# Altium PCB lora_gw_som_pcb.PcbDoc (part 2 of 3) (continued)
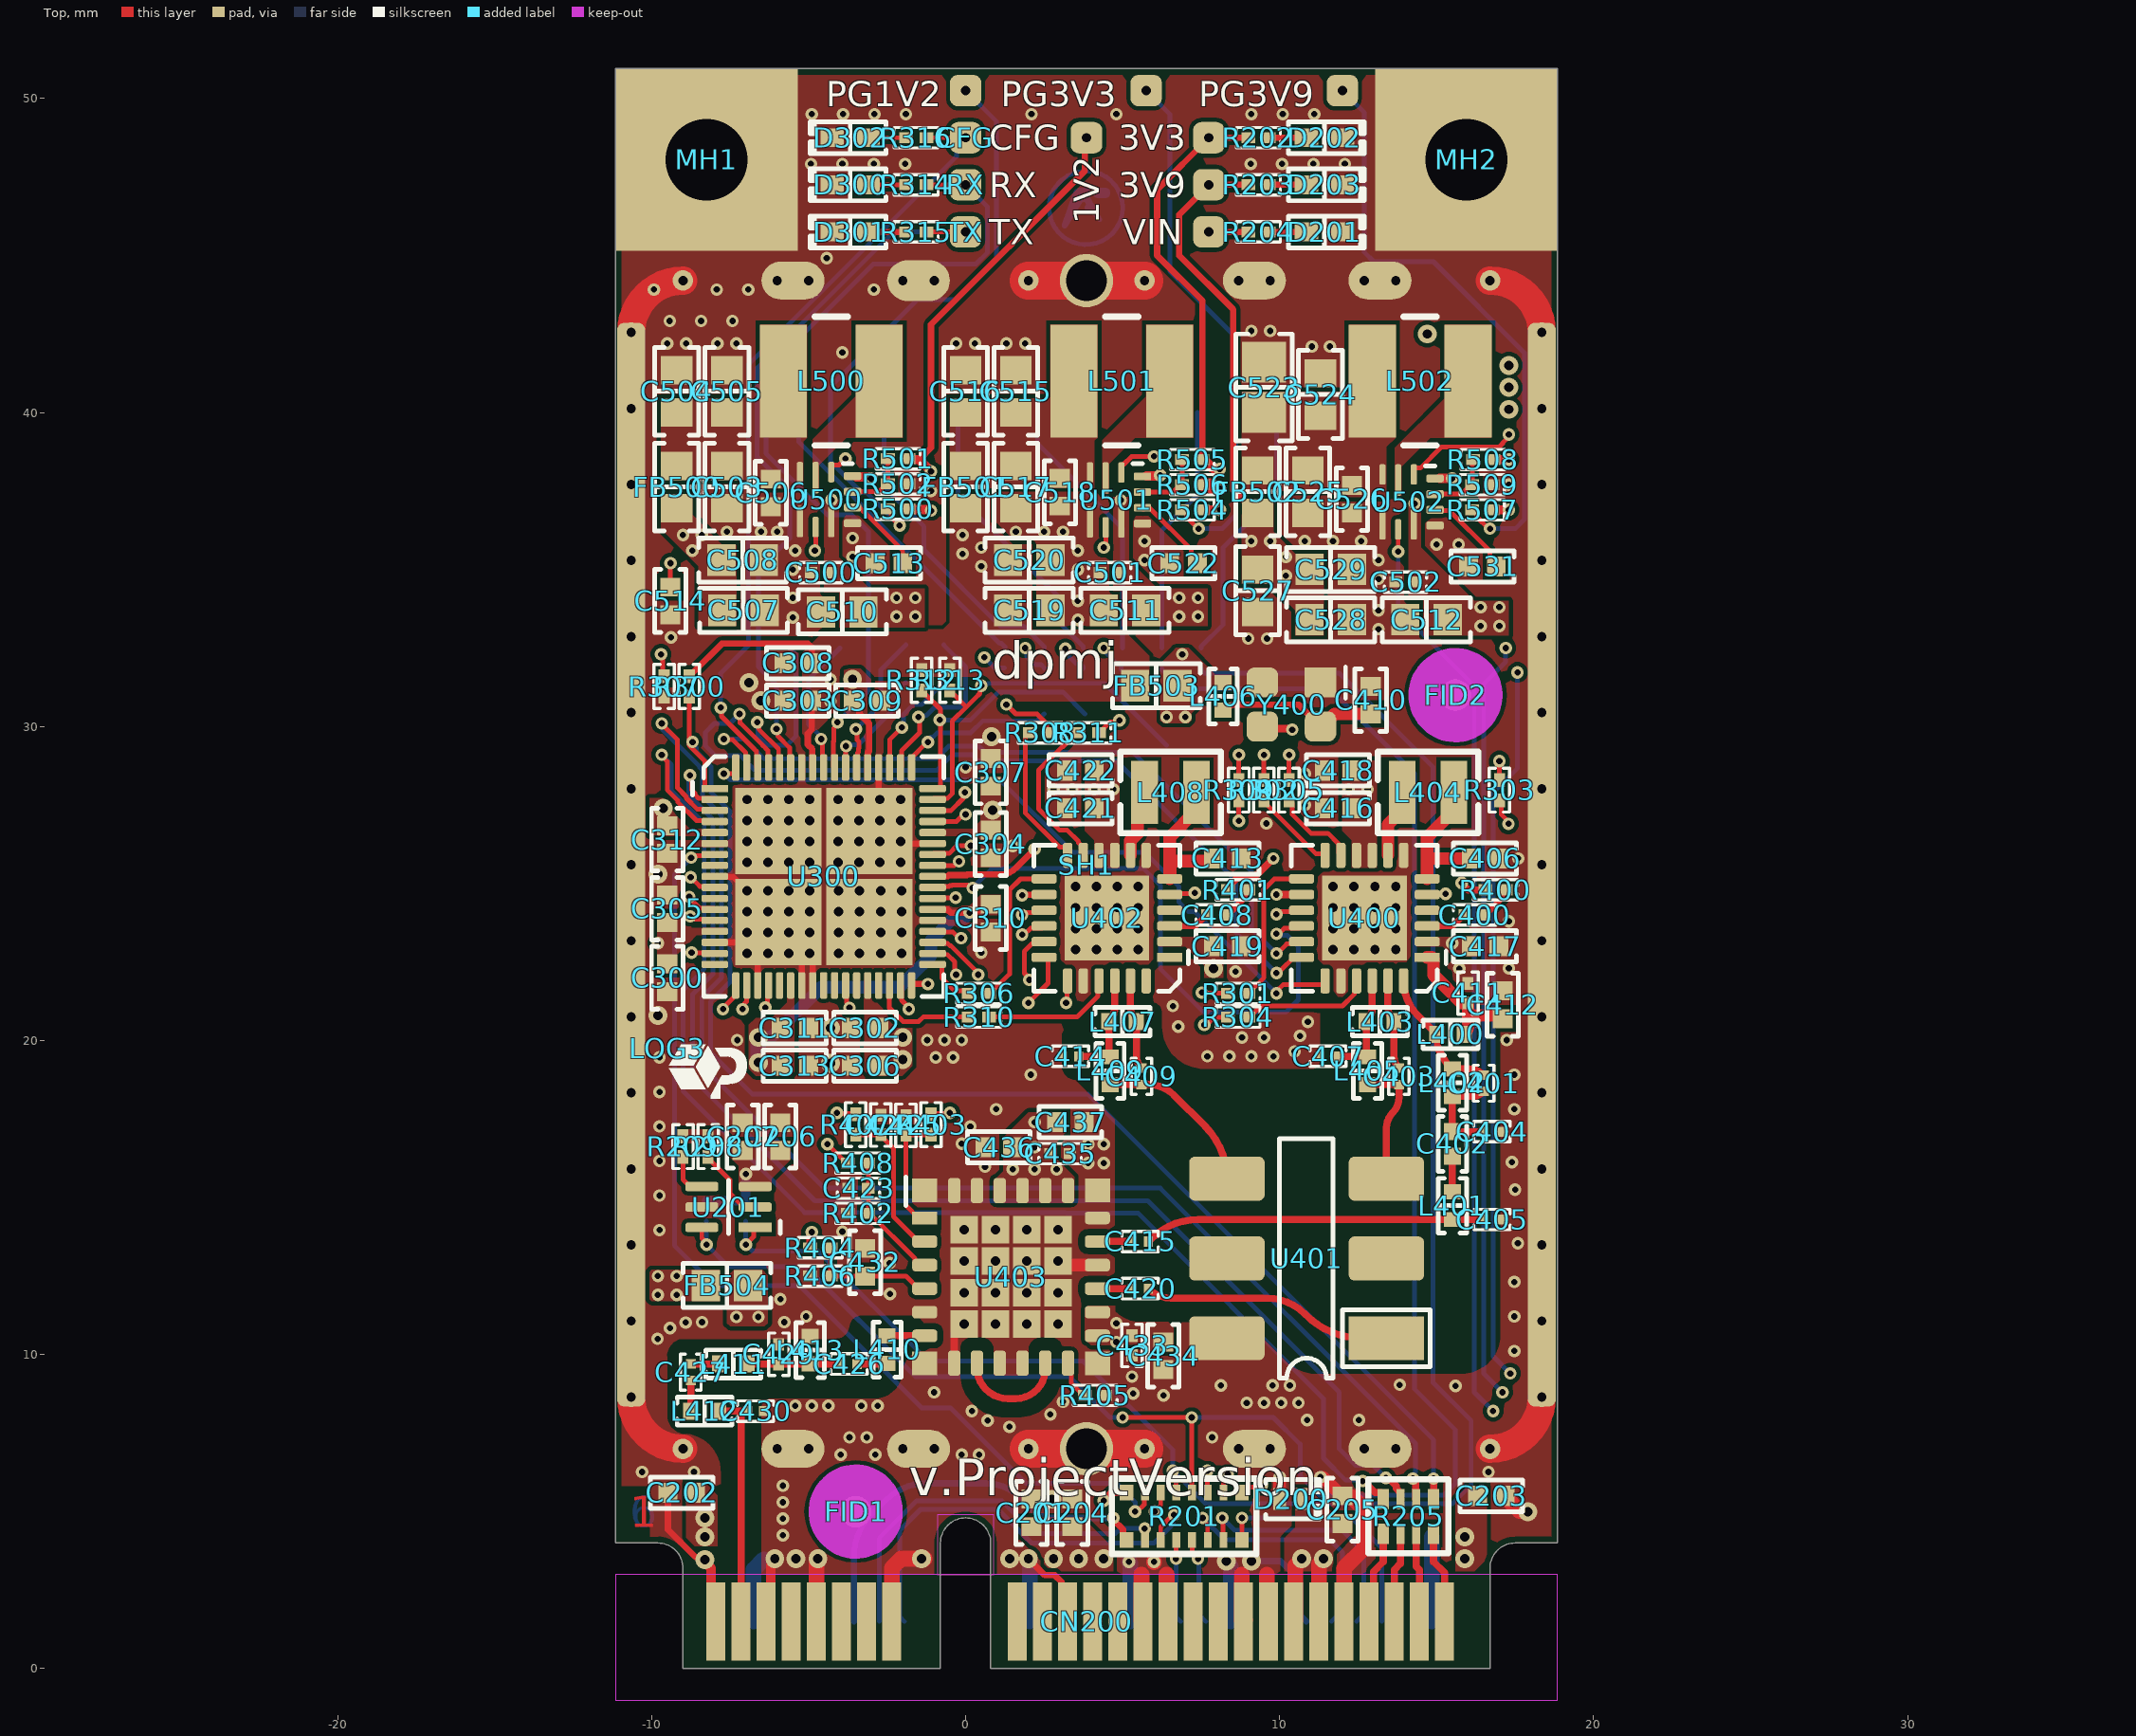
[diagram p0: Top view]
## Nets (pads, with @x,y where several pads share a name; then routed paths per layer and width w, separated by ;. In a path a pad name is that pad's centre, name@x,y a point inside that pad or via, vN(x,y) a via of type N, cw(c..) or ccw(c..) an arc to the next point about the centre after c; other vN are vias at no path point) (continued)
  other v1: -5.816,4.249 -5.816,4.774 -5.816,5.299 -5.816,5.824 -10.299,6.264 -8.649,6.264 16.651,6.264 -3.974,6.814 -2.874,6.814 -0.124,6.814 0.426,6.814 -3.699,7.364 -3.149,7.364 7.851,7.364 1.4,7.7 0.7,7.9 10.876,7.914 12.526,7.914 2.7,8.1 0.2,8.2 -5.422,8.367 -4.897,8.367 -4.372,8.367 -3.322,8.367 -2.797,8.367 8.951,8.464 9.501,8.464 10.051,8.464 10.601,8.464 3.1,8.5 6.3,8.7 5.334,8.763 -1,8.8 8.126,9.014 9.776,9.014 10.326,9.014 15.6,9 13.826,9.037 5.3,9.3 17.476,10.114 -9.81,10.503 -9.409,10.842 -8.916,11.021 -8.391,11.033 -5.776,11.033 -5.074,11.214 17.476,11.214 -5.899,11.764 -2.407,11.933 17.476,12.314 -2.423,12.915 17.587,13.545 -3.923,13.915 -9.749,13.964 -9.749,15.064 17.5,15.25 0.618,15.982 3.9,16.1 4.4,16.1 17.398,16.127 -9.749,16.164 -0.124,16.714 3.9,16.7 4.4,16.7 -9.749,17.264 0.151,17.264 0.976,17.814 17.476,17.814 -9.749,18.364 2.076,18.914 17.476,18.914 -9.749,19.464 -0.949,19.464 -0.399,19.464 7.7,19.5 8.4,19.5 9.1,19.5 9.8,19.5 10.477,19.653 -7.274,20.014 -1.224,20.014 -0.674,20.014 -0.124,20.014 17.232,20.015 8.8,20.1 9.5,20.1 10.651,20.148 6.773,20.449 10.9,20.6 6.6,21.1 8.6,22.2 15.722,22.292 17.3,22.3 0.499,22.799 17.3,23.8 17.6,25.8 1.5,26.2 9.577,26.915 10.8,27.5 2.8,28 3.4,28 10.8,28.5 0,28.7 9,32.8 9.6,32.8 -9.378,32.836 13.15,33.1 3.575,33.4 -5.5,33.475 13.15,33.7 3.575,34 -5.5,34.1 13.15,34.7 -5.5,35 3.575,35 5.7,35.3 13.15,35.3 -3.6,35.4 -5.425,35.6 3.575,35.6 15,35.8 15.7,35.8 5.7,35.9 10.8,35.9 11.7,35.9 12.6,35.9 -3.6,36 -7.6,36.2 -6.51,36.2 -6,36.2 1.6,36.2 2.5,36.2 3.1,36.2 -1.1,37.5 17.3,37.7 -3.923,41.915 11.025,42.1 11.6,42.1 -9.5,42.2 -8.9,42.2 -7.9,42.2 -7.3,42.2 -0.3,42.2 0.3,42.2 1.3,42.2 1.9,42.2 9.1,42.6 9.7,42.6 -9.423,42.915 -8.423,42.915 -7.423,42.915 -9.923,43.915 -7.923,43.915 -6.923,43.915 -2.923,43.915 -4.423,44.915 -4.923,47.915 -3.923,47.915 -2.923,47.915 -1.923,47.915 9.077,47.915 10.077,47.915 11.077,47.915 12.077,47.915 -4.9,49.5 -3.9,49.5 -2.9,49.5 -1.9,49.5 2.1,49.5 4.8,49.5 9.1,49.5 10.1,49.5 11.1,49.5
  other v2: -9,7 -6,7 -5,7 -2,7 -1,7 2,7 5.7,7 8.7,7 9.7,7 12.7,7 13.7,7 16.7,7 -10.65,8.65 18.35,8.65 -10.65,11.071 18.35,11.071 -10.65,13.493 18.35,13.493 -10.65,15.914 18.35,15.914 -10.65,18.336 18.35,18.336 -10.65,20.757 18.35,20.757 -6.965,22.775 -5.63,22.775 -4.04,22.775 -3.375,22.775 -2.705,22.775 -2.04,22.775 3.5,22.9 4.165,22.9 4.835,22.9 5.5,22.9 11.7,22.9 12.365,22.9 13.035,22.9 13.7,22.9 -10.65,23.179 18.35,23.179 -6.3,23.44 -5.63,23.44 -4.965,23.44 -4.04,23.44 -3.375,23.44 -2.705,23.44 -2.04,23.44 3.5,23.565 4.165,23.565 4.835,23.565 5.5,23.565 11.7,23.565 12.365,23.565 13.035,23.565 13.7,23.565 -6.965,24.11 -6.3,24.11 -5.63,24.11 -4.965,24.11 -4.04,24.11 -3.375,24.11 -2.705,24.11 -2.04,24.11 3.5,24.235 4.165,24.235 4.835,24.235 5.5,24.235 11.7,24.235 12.365,24.235 13.035,24.235 13.7,24.235 -6.3,24.775 -5.63,24.775 -4.965,24.775 -4.04,24.775 -3.375,24.775 -2.705,24.775 -2.04,24.775 3.5,24.9 4.165,24.9 4.835,24.9 5.5,24.9 11.7,24.9 12.365,24.9 13.035,24.9 13.7,24.9 -10.65,25.6 18.35,25.6 -6.965,25.675 -6.3,25.675 -5.63,25.675 -4.965,25.675 -4.065,25.675 -3.4,25.675 -2.73,25.675 -2.065,25.675 -6.965,26.34 -6.3,26.34 -5.63,26.34 -4.965,26.34 -4.065,26.34 -3.4,26.34 -2.73,26.34 -6.965,27.01 -6.3,27.01 -5.63,27.01 -4.965,27.01 -4.065,27.01 -3.4,27.01 -2.73,27.01 -2.065,27.01 -6.965,27.675 -6.3,27.675 -5.63,27.675 -4.965,27.675 -4.065,27.675 -3.4,27.675 -2.065,27.675 -10.65,28.021 18.35,28.021 -10.65,30.443 18.35,30.443 -10.65,32.864 18.35,32.864 -10.65,35.286 18.35,35.286 -10.65,37.707 18.35,37.707 -10.65,40.129 18.35,40.129 -10.65,42.55 18.35,42.55 -9,44.2 -6,44.2 -5,44.2 -2,44.2 -1,44.2 2,44.2 5.7,44.2 8.7,44.2 9.7,44.2 12.7,44.2 13.7,44.2 16.7,44.2
  other v3: -5.4,3.5 -1.4,3.5 1.4,3.5 2.748,5.394 -4.3,19.275 -4.3,20.4 -9.8,20.8 -9.8,25.3 0.825,29.682 -6.524,30.82 -6.9,31.4
  other v4: 0.95,10.975 1.95,10.975 2.95,10.975 -0.05,11.975 0.95,11.975 1.95,11.975 2.95,11.975 -0.05,12.975 0.95,12.975 1.95,12.975 -0.05,13.975 0.95,13.975 1.95,13.975 2.95,13.975
GPIO_1: TP1.0 U300.64 | length 6.5
  Top w0.15: v1(-6.632,30.14) -6.584,30.092 -6.584,29.915 -5.955,29.286 -5.955,28.73 U300.64@-5.92,28.695
  Bottom w0.15: v1(-6.632,30.14) -6.615,30.123 -6.615,29.715 -6.3,29.4 -5.7,29.4 -5.4,29.7 -5.4,32.3 TP1.0@-5.6,32.5
GPIO_3: TP3.0 U300.60 | length 4.4
  Top w0.15: v1(-4.6,29.6) -4.555,29.555 -4.555,28.73 U300.60@-4.52,28.695
  Bottom w0.15: v1(-4.6,29.6) -4.6,29.668 -5,30.068 -5,31.5 TP3.0@-4,32.5
GPIO_5: TP5.0 U300.58 | length 3.7
  Top w0.15: U300.58@-3.82,28.695 -3.813,28.702 -3.813,29.367 v1(-3.806,29.374)
  Bottom w0.15: v1(-3.806,29.374) -3.759,29.422 -3.421,29.422 -2.168,30.675 -2.168,31.132 TP5.0@-1.9,31.4
GPIO_6: TP6.0 U300.57 | length 4.6
  Top w0.15: v1(-3.494,29.915) -3.453,29.875 -3.453,29.576 -3.4,29.523 -3.4,29.314 -3.41,29.304 -3.41,29.195 -3.435,29.17 -3.435,28.73 U300.57@-3.47,28.695
  Bottom w0.15: v1(-3.494,29.915) -2.7,30.709 -2.7,31.8 TP6.0@-1.9,32.6
GPIO_7: TP7.0 U300.54 | length 3.6
  Top w0.15: U300.54@-2.42,28.695 -2.42,29.58 v1(-2.03,29.97)
  Bottom w0.15: v1(-2.03,29.97) -1.983,30.017 -1.983,30.383 -1.666,30.7 -1.4,30.7 TP7.0@-0.7,31.4
GPIO_8: TP8.0 U300.53 | length 5.7
  Top w0.15: U300.53@-2.07,28.695 -2.035,28.73 -2.035,29.231 -1.466,29.8 -1.466,30.266 v1(-1.5,30.3)
  Bottom w0.15: v1(-1.5,30.3) -1.452,30.348 -1.252,30.348 -0.989,30.611 -0.188,30.611 0,30.799 0,31.9 TP8.0@-0.7,32.6
GPIO_9: TP9.0 U300.52 | length 5.3
  Top w0.15: U300.52@-1.72,28.695 -1.72,29.005 -1.225,29.5 v1(-1.2,29.5)
  Bottom w0.15: v1(-1.2,29.5) -1.2,29.568 v1@-1.1,29.668 ; v1(-1.2,29.5) -0.899,29.8 0.166,29.8 0.548,30.182 2.282,30.182 TP9.0@2.5,30.4
GPIO_10: R312.1 TP10.0 U300.51 | length 8.9
  Top w0.15: R312.1@-1.4,31.15 -1.4,31.105 -1.3,31.005 -1.255,31.005 -0.8,30.55 -0.8,30.235 v1(-0.823,30.211) ; U300.51@-1.05,28.025 -0.84,28.025 -0.8,28.065 v1@-0.8,30.2
  Bottom w0.15: v1(-0.823,30.211) 0.157,30.211 1.045,31.1 3.1,31.1 TP10.0@3.8,30.4
GPIO_11: R313.1 TP11.0 U300.50 | length 12
  Top w0.15: U300.50@-1.05,27.675 -1.015,27.71 -0.576,27.71 -0.425,27.861 -0.425,30.175 0.025,30.625 ; R313.1@-0.5,31.15 -0.5,31.105 -0.4,31.005 -0.355,31.005 0.025,30.625 ; v1(0.5,31.3) 0.452,31.252 0.452,31.052 0.307,30.907 0.025,30.625
  Bottom w0.15: v1(0.5,31.3) 0.548,31.348 0.686,31.348 0.713,31.375 4.425,31.375 TP11.0@6.4,29.4
I2C.SCL: R200.2 R201.13 R207.1 U201.1 | length 61.4
  Top w0.15: v1(-7,13.5) -6.75,13.75 -6.75,13.975 -6.7,14.025 U201.1@-6.7,14.05 ; v1(6.6,6.3) 6.6,6.232 6.706,6.126 6.706,5.606 R201.13@6.713,5.6
  Bottom w0.15: R207.1@-7,14.25 v1(-7,13.5) -6.987,13.5 -6.787,13.3 -4.7,13.3 -1.2,9.8 3.731,9.8 5.131,8.4 5.166,8.4 6.6,6.966 v1(6.6,6.3) 7.653,5.247 15.501,5.247 16.1,5.845 16.1,7.9 14.882,9.118 14.882,28.718 11.9,31.7 7.688,31.7 7.683,31.705 7.6,31.705 7.5,31.805 R200.2@7.5,31.85
I2C.SDA: R201.12 R206.1 R210.2 U201.6 | length 64.3
  Top w0.15: U201.6@-8.4,14.05 -8.4,13.703 -8.25,13.553 v1(-8.25,13.5) ; v1(5,8) v1(7.2,8) 7.206,7.994 7.206,5.606 R201.12@7.213,5.6
  Bottom w0.15: R206.1@-8.25,14.25 v1(-8.25,13.5) -7.55,12.8 -5.1,12.8 -1.6,9.3 3.3,9.3 4.6,8 v1(5,8) ; R210.2@6.25,31.85 6.25,31.805 6.35,31.705 6.395,31.705 6.9,31.2 11.6,31.2 14.3,28.5 14.3,8.9 15.6,7.6 15.6,5.9 15.222,5.522 11.278,5.522 10.652,6.148 10.652,7.148 9.8,8 v1(7.2,8)
LED_CFG: CFG.0 R316.2 U300.66 | length 25
  Top w0.15: v1@-7.8,30.587 -7.773,30.56 -7.773,30.326 -6.73,29.283 -6.73,29.281 -6.655,29.206 -6.655,28.73 U300.66@-6.62,28.695 ; R316.2@-1.25,48.75 CFG.0@0,48.75
  Bottom w0.15: v1(-7.8,30.6) -7.8,31.7 -6.91,32.59 -6.91,41.531 -0.282,48.16 -0.282,48.468 CFG.0@0,48.75
LED_RX: R314.2 RX.0 U300.59 | length 27
  Top w0.15: -4.2,29.947 -4.2,29.53 -4.206,29.524 -4.206,29.192 -4.205,29.191 -4.205,28.73 U300.59@-4.17,28.695 ; R314.2@-1.25,47.25 RX.0@0,47.25
  Bottom w0.15: v1@-4.126,30.184 v1(-4.078,30.136) -3.1,31.114 -3.1,36.212 -3.624,36.736 -4.4,36.736 -6.36,38.696 -6.36,41.304 -2.938,44.725 0.325,44.725 0.7,45.1 0.7,46.55 RX.0@0,47.25
LED_TX: R315.2 TX.0 U300.63 | length 23.4
  Top w0.15: -5.976,29.696 -5.605,29.325 -5.605,28.73 U300.63@-5.57,28.695 ; R315.2@-1.25,45.75 TX.0@0,45.75
  Bottom w0.15: v1(-6.024,29.921) -6.024,31.332 -6.6,31.908 -6.6,34.991 -5.6,35.991 -5.6,37.548 -6.635,38.583 -6.635,41.417 -2.302,45.75 TX.0@0,45.75
NetC400_2: C400.2 R400.2 | length 1.1
  Top w0.2: C400.2@16.52,24 16.545,24 17.08,24.535 17.08,24.725 17.155,24.8 R400.2@17.2,24.8
NetC408_2: C408.2 R401.2 | length 1.1
  Top w0.2: C408.2@8.32,24 8.345,24 8.88,24.535 8.88,24.725 8.955,24.8 R401.2@9,24.8
NetC426_1: C426.1 L410.2 | length 0.9
  Top w0.227: C426.1@-3.45,9.7 L410.2@-2.53,9.7
NetC427_1: C427.1 L411.2 | length 0.9
  Top w0.227: C427.1@-8.75,9.7 L411.2@-7.83,9.7
NetD201_1: D201.1 R204.1 | length 1.2
  Top w0.2: R204.1@9.65,45.75 D201.1@10.85,45.75
NetD202_1: D202.1 R202.1 | length 1.2
  Top w0.2: R202.1@9.65,48.75 D202.1@10.85,48.75
NetD203_1: D203.1 R203.1 | length 1.2
  Top w0.2: R203.1@9.65,47.25 D203.1@10.85,47.25
NetD300_1: D300.1 R314.1 | length 1.2
  Top w0.15: D300.1@-3.1,47.25 R314.1@-1.9,47.25
NetD301_1: D301.1 R315.1 | length 1.2
  Top w0.2: D301.1@-3.1,45.75 R315.1@-1.9,45.75
NetD302_1: D302.1 R316.1 | length 1.2
  Top w0.15: D302.1@-3.1,48.75 R316.1@-1.9,48.75
PCI.CLK32M: CN200.12 R201.1 | length 12.8
  Top w0.2: v1(4.7,4.8) 4.7,4.746 5.012,4.433 5.012,4.212 R201.1@5.125,4.1
  Bottom w0.2: CN200.12@-3.55,1.5 -3.55,3.593 ; -3.55,3.594 cw(c-1.724,3.594) -3.015,4.885 -2.522,5.378 cw(c-1.263,4.121) -1.263,5.9 0.649,5.9 0.652,5.9 cw(c0.651,4.399) 1.712,5.461 1.713,5.459 2.063,5.109 2.065,5.108 ccw(c2.808,5.852) 2.808,4.8 ; 2.809,4.8 v1(4.7,4.8)
PCI.ENABLE: CN200.16 R201.3 | length 13.9
  Top w0.15: R201.3@6.212,4.1 6.212,4.513 6.593,4.893 v1(6.641,4.893)
  Bottom w0.15: CN200.16@-1.95,1.5 -2.1,1.65 -2.1,4.4 -1.432,5.068 1.032,5.068 2.1,4 6,4 6.616,4.616 6.616,4.868 v1(6.641,4.893)
PCI.I2C.SCL: CN200.30 R201.4 | length 2.7
  Top w0.15: v1(6.7,3.5) 6.706,3.506 6.706,4.094 R201.4@6.713,4.1
  Bottom w0.15: v1(6.7,3.5) 6.7,1.65 CN200.30@6.85,1.5
PCI.I2C.SDA: CN200.32 R201.5 | length 2.8
  Top w0.15: R201.5@7.213,4.1 7.213,3.703 7.4,3.516 v1(7.4,3.5)
  Bottom w0.15: v1(7.4,3.5) 7.425,3.475 7.425,1.725 CN200.32@7.65,1.5
PCI.PG.1V2: CN200.42 R201.6 | length 8
  Top w0.15: v1(7.55,4.8) 7.55,4.732 7.707,4.575 7.707,4.105 R201.6@7.713,4.1
  Bottom w0.15: v1(7.55,4.8) 8.247,4.103 11.597,4.103 12.005,3.695 12.005,3.005 11.875,2.875 11.875,1.725 CN200.42@11.65,1.5
PCI.PG.3V3: CN200.44 R201.7 | length 8
  Top w0.15: v1(8.175,4.8) 8.194,4.781 8.194,4.119 R201.7@8.213,4.1
  Bottom w0.15: v1(8.175,4.8) 8.575,4.4 12,4.4 12.675,3.725 12.675,1.725 CN200.44@12.45,1.5
PCI.PG.3V9: CN200.46 R201.8 | length 7.9
  Top w0.15: R201.8@8.8,4.1 v1(8.8,4.8)
  Bottom w0.15: v1(8.8,4.8) 12.3,4.8 13.25,3.85 CN200.46@13.25,1.5
PCI.RESET: CN200.14 R201.2 | length 12.5
  Top w0.15: v1(5.705,4.463) 5.709,4.459 5.709,4.104 R201.2@5.713,4.1
  Bottom w0.15: CN200.14@-2.75,1.5 -2.75,4.15 -1.557,5.343 1.157,5.343 2.2,4.3 4.766,4.3 4.929,4.463 v1(5.705,4.463)
PCI.SPI.MISO: CN200.47 R205.6 | length 3
  Top w0.227: CN200.47@13.65,1.5 13.65,3.15 13.85,3.35 R205.6@13.85,4.4
PCI.SPI.MOSI: CN200.49 R205.7 | length 3.2
  Top w0.227: CN200.49@14.307,1.715 14.271,1.679 CN200.49@14.45,1.5 14.45,3.15 14.35,3.25 R205.7@14.35,4.4
PCI.SPI.NSS: CN200.51 R205.8 | length 3
  Top w0.227: R205.8@14.9,4.4 14.9,3.4 15.25,3.05 CN200.51@15.25,1.5
PCI.SPI.SCK: CN200.45 R205.5 | length 3.1
  Top w0.227: CN200.45@12.85,1.5 12.991,1.641 12.991,3.091 13.3,3.4 R205.5@13.3,4.4
PGOOD.1V2: PG1V2.0 R201.11 R500.1 U500.5 U501.1 U502.1 | length 94.7
  Top w0.15: v1@-4.775,35.625 U500.5@-4.775,36.35 ; R500.1@-2.475,36.925 -2.465,36.925 -2.365,36.825 -2.365,36.665 v1(-2.1,36.4) ; U501.1@4.96,38.09 4.96,38.315 4.985,38.34 5.028,38.34 5.289,38.6 v1(6,38.6) ; v1(7.7,6.3) 7.706,6.294 7.706,5.606 R201.11@7.713,5.6 ; U502.1@14.275,38.025 14.275,38.207 14.3,38.232 14.482,38.232 15.15,38.9 16.993,38.9 17.099,39.006 17.099,39.031 17.3,39.232 v1(17.3,39.3)
  Top w0.2: v1(-4.8,35.6) v1@-4.775,35.625
  Signal-1 w0.15: v1(-4.8,35.6) -3.95,36.45 -2.15,36.45 v1(-2.1,36.4) -0.8,36.4 1.4,38.6 v1(6,38.6) 6.7,39.3 17.342,39.3 17.825,38.817 17.825,31.987 17.575,31.737 v1(17.575,31.725) ; v1(7.7,6.3) 7.7,6.205 8.311,5.594 8.455,5.45 8.786,5.45 9.315,4.922 16.822,4.922 17.79,5.89 17.79,8.955 v1(17.345,9.4)
  Bottom w0.15: v1(-2.1,36.4) -3.143,37.443 -3.304,37.443 -4.3,38.439 -4.3,40.824 -1.524,43.6 -0.3,43.6 0.975,44.875 0.975,49.275 PG1V2.0@0,50.25 ; v1(17.345,9.4) 16.8,9.945 16.8,27.9 17.575,28.675 v1(17.575,31.725)
PGOOD.3V3: PG3V3.0 R201.10 R504.1 U501.5 | length 70
  Top w0.15: v1(4.4,35.7) 4.4,35.768 4.473,35.841 4.473,36.327 U501.5@4.46,36.34 ; R504.1@6.94,36.9 7.04,36.8 7.04,36.66 7.4,36.3 v1(7.425,36.3) ; R201.10@8.213,5.6 8.213,6.045 8.35,6.182 v1(8.35,6.192)
  Top w0.2: R504.1@6.895,36.9 R504.1@6.94,36.9
  Signal-1 w0.15: v1(4.4,35.7) 5.05,36.35 7.375,36.35 7.473,36.252 7.748,36.252 11.123,32.877 11.126,32.874 ccw(c12.032,33.784) 12.032,32.5 v1(17.2,32.5) ; v1(8.35,6.192) 8.433,6.192 9.429,5.197 16.697,5.197 17.515,6.015 17.515,8.29 17.1,8.705 v1(17.1,8.8)
  Bottom w0.15: PG3V3.0@5.75,50.25 6.5,49.5 6.5,44.5 8.6,42.4 8.6,36.734 8.166,36.3 v1(7.425,36.3) ; v1(17.1,8.8) 16.5,9.4 16.5,31.362 17.2,32.062 v1(17.2,32.5)
PGOOD.3V9: PG3V9.0 R201.9 R507.1 U502.5 | length 63.1
  Top w0.15: R201.9@8.8,5.6 8.8,5.637 8.938,5.775 9.307,5.775 9.363,5.831 v1(9.431,5.831) ; v1(13.775,35.575) U502.5@13.775,36.275 ; R507.1@16.13,36.9 16.175,36.9 16.275,36.8 16.275,36.68 16.655,36.3 v1(16.7,36.3)
  Signal-1 w0.15: v1(9.431,5.831) 9.79,5.472 16.572,5.472 17.238,6.138 17.238,7.762 v1(16.8,8.2) ; v1(13.775,35.575) 14.5,36.3 v1(16.7,36.3)
  Bottom w0.15: PG3V9.0@12,50.25 12.7,49.55 12.7,45.1 13,44.8 14.9,44.8 17.8,41.9 17.8,36.6 17.5,36.3 v1(16.7,36.3) ; v1(13.775,35.575) 13.775,33.725 16.2,31.3 16.2,8.8 v1(16.8,8.2)
PWSPLT.RA: C403.2 L405.2 U401.3 | length 4.1
  Top w0.227: L405.2@12.8,18.6 C403.2@13.8,18.6 13.8,18.183 cw(c13.117,18.183) 13.6,17.7 ccw(c14.083,17.217) 13.4,17.217 U401.3@13.4,15.6
PWSPLT.RB: C409.2 L409.2 U401.4 | length 5.4
  Top w0.227: L409.2@4.6,18.6 C409.2@5.6,18.6 5.817,18.6 cw(c5.817,17.434) 6.641,18.259 7.627,17.273 cw(c5.954,15.6) U401.4@8.32,15.6
RA.DCSW: L404.2 U400.8 | length 2.2
  Top w0.4: U400.8@13.45,25.9 13.45,26.875 13.9,27.325 L404.2@13.9,27.9
RA.LPF: C402.2 L401.1 | length 1.1
  Top w0.227: L401.1@15.5,15.18 C402.2@15.5,16.32
RA.RFIN: C403.1 L403.2 U400.23 | length 2.9
  Top w0.227: U400.23@13.45,21.9 13.45,21.059 ccw(c14.099,21.059) L403.2@13.64,20.6 13.64,19.506 ccw(c14.186,19.506) C403.1@13.8,19.12
RA.RFIP: C407.2 L403.1 L405.1 U400.22 | length 3.4
  Top w0.227: C407.2@11.8,19.5 12.752,19.5 cw(c12.752,19.432) L405.1@12.8,19.48 ; L405.1@12.76,19.577 L403.1@12.76,20.6 ccw(c12.301,21.059) 12.95,21.059 U400.22@12.95,21.9
RA.RFO: C401.1 L400.2 L402.1 U400.24 | length 4.4
  Top w0.227: U400.24@13.95,21.9 ccw(c15.519,21.9) 14.41,20.79 L400.2@15,20.2 15.026,20.044 15.026,19.93 ccw(c15.64,19.93) 15.112,19.617 15.344,19.226 L402.1@15.5,19.1 16.017,19.1 cw(c16.017,18.417) C401.1@16.5,18.9
RA.TXA: C400.1 U400.3 | length 1.3
  Top w0.2: U400.3@14.7,23.65 15.525,23.65 15.875,24 C400.1@15.9,24
RA.VREG: C406.2 L404.1 U400.6 | length 4.5
  Top w0.4: U400.6@14.7,25.15 14.7,25.812 ; L404.1@15.55,27.9 15.55,27.325 14.7,26.475 14.7,25.812 ; C406.2@16.1,25.8 14.713,25.8 14.7,25.812
RA.ZO: C401.2 C402.1 C404.2 L402.2 | length 3.2
  Top w0.227: C404.2@16.5,17.1 C402.1@15.5,17.1 L402.2@15.5,18.22 16.114,18.22 ccw(c16.114,18.766) C401.2@16.5,18.38
RADIO_A_CLK32M: R201.16 U300.43 U400.14 | length 36.8
  Top w0.2: U300.43@-1.05,25.225 -1.04,25.235 -0.565,25.235 -0.532,25.269 0.04,25.269 0.058,25.287 1.114,25.287 ccw(c1.114,25.948) 1.581,25.481 v1(2.2,26.1) ; v1(4.4,5.348) 4.4,5.387 4.613,5.6 R201.16@5.125,5.6
  Top w0.227: v1(9.9,24.65) U400.14@10.7,24.65
  Signal-1 w0.2: v1(2.2,26.1) 4.503,26.1 cw(c4.503,24.713) 5.483,25.694 5.485,25.693 6.93,24.248 6.931,24.247 ccw(c7.519,24.835) 7.519,24.004 ; v1(4.4,5.348) 4.4,5.599 cw(c5.443,5.598) 4.706,6.336 4.852,6.481 ccw(c4.496,6.839) 5,6.839 5,6.912 ; 5,6.913 cw(c5.452,6.913) 5.133,7.233 5.59,7.69 cw(c5.855,7.426) 5.854,7.8 5.856,7.8 ccw(c5.855,8.323) 6.226,7.954 7.1,8.828 9.924,11.652 ccw(c5.157,16.421) 11.9,16.421 11.9,19.055 11.9,19.056 ccw(c6.033,19.07) 11.47,21.274 11.16,22.04 cw(c13.951,23.19) 10.933,23.239 ccw(c9.103,23.35) 10.825,23.979 ccw(c9.709,23.571) 10.548,24.412 10.533,24.428 10.487,24.473 ccw(c10.094,24.08) 10.094,24.636 9.914,24.636 v1(9.9,24.65) ; 7.52,24.004 7.63,24.004 ; 7.631,24.004 ccw(c7.631,24.662) 8.097,24.197 8.2,24.3 cw(c8.984,23.516) 8.984,24.625 v1@9.9,24.625
RADIO_A_CLK_O: R305.2 U400.11 | length 2.7
  Top w0.15: R305.2@10.3,27.65 10.395,27.555 10.395,27.205 11,26.6 11.539,26.6 11.875,26.264 11.875,25.975 U400.11@11.95,25.9
RADIO_A_IQ0: R301.2 U400.13 | length 4.9
  Top w0.15: R301.2@9,21.5 9.045,21.5 9.145,21.6 9.145,21.645 9.5,22 9.5,24.816 9.834,25.15 U400.13@10.7,25.15
RADIO_A_IQ1: R302.2 U400.12 | length 2.7
  Top w0.15: R302.2@9.5,27.65 9.5,27.605 11.163,25.942 11.408,25.942 U400.12@11.45,25.9
RADIO_A_IQ2: R303.2 U400.5 | length 4.7
  Top w0.15: U400.5@14.7,24.65 14.71,24.66 15.272,24.66 v1(15.282,24.67) ; R303.2@17,27.65 17.063,27.587 17.063,27.195 17.288,26.97 v1(17.288,26.902)
  Signal-1 w0.15: v1(15.282,24.67) 15.3,24.688 15.3,25.3 16.833,26.833 v1(17.288,26.902)
RADIO_A_IQ3: R304.2 U400.21 | length 4.1
  Top w0.15: R304.2@9,20.75 9.045,20.75 9.395,21.1 12,21.1 12.375,21.475 12.375,21.825 U400.21@12.45,21.9
RADIO_A_NRESET: U300.13 U400.15 | length 31.3
  Top w0.15: v1@-8.612,23.86 -8.025,23.86 U300.13@-7.99,23.825 ; v1(9.9,24.025) 9.968,24.025 10.05,24.107 10.657,24.107 U400.15@10.7,24.15
  Signal-1 w0.15: -9.2,19.096 ccw(c-7.037,19.096) -8.566,17.566 -7.685,16.685 ccw(c-6.515,17.854) -6.515,16.2 ; -9.2,19.097 -9.2,22.916 ; -9.2,22.917 cw(c-7.737,22.917) v1(-8.771,23.952) ; -6.514,16.2 -0.365,16.2 ; -0.364,16.2 ccw(c-0.364,17.562) 0.599,16.599 2.527,18.527 cw(c5.841,15.214) 5.841,19.9 7.075,19.9 ; 7.076,19.9 ccw(c7.076,21.649) 8.312,20.412 ccw(c6.17,22.555) 9.2,22.555 9.2,23.5 ; 9.2,23.5 cw(c9.679,23.5) 9.34,23.839 cw(c9.728,23.452) 9.728,24 9.875,24 v1(9.9,24.025)
RADIO_B_CLK32M: U300.34 U402.14 | length 6.9
  Top w0.2: U300.34@-1.72,21.755 -1.72,21.785 -1.705,21.8 v1(-1.2,21.8) ; v1(1.8,24.625) 1.812,24.637 2.488,24.637 U402.14@2.5,24.65
  Signal-1 w0.2: v1(-1.2,21.8) -0.985,21.585 ccw(c-0.538,22.033) -0.538,21.4 ; -0.537,21.4 0.167,21.4 ; 0.168,21.4 ccw(c0.168,21.891) 0.516,21.544 0.868,21.896 ccw(c0.553,22.214) 1,22.214 1,24.001 ; 1,24.002 cw(c1.477,24.002) 1.14,24.34 1.19,24.39 cw(c1.619,23.96) 1.483,24.552 v1(1.8,24.625)
RADIO_B_CLK_O: R311.2 U402.11 | length 5.2
  Top w0.15: R311.2@3.6,29.8 3.555,29.8 3.106,29.351 3.069,29.351 2.325,28.608 2.325,27.375 3,26.7 3.239,26.7 3.6,26.339 3.6,26.3 3.75,26.15 U402.11@3.75,25.9
RADIO_B_IQ0: R306.2 U402.13 | length 4.8
  Top w0.15: R306.2@0.75,21.5 0.78,21.5 1.4,22.12 1.4,24.8 1.75,25.15 U402.13@2.5,25.15
RADIO_B_IQ1: R308.2 U402.12 | length 4.7
  Top w0.15: R308.2@2.05,29.8 2.005,29.8 1.905,29.7 1.905,29.617 1.9,29.612 1.9,27.25 2.988,26.162 3.175,26.162 3.25,26.087 U402.12@3.25,25.9
RADIO_B_IQ2: R309.2 U402.5 | length 4.4
  Top w0.15: U402.5@6.5,24.65 6.525,24.675 7.275,24.675 v1(7.3,24.7) ; v1(8.7,27) R309.2@8.7,27.65
  Signal-1 w0.15: v1(7.3,24.7) 7.3,25.6 v1(8.7,27)
RADIO_B_IQ3: R310.2 U402.21 | length 4.2
  Top w0.15: R310.2@0.75,20.75 3.55,20.75 4.213,21.413 4.213,21.863 U402.21@4.25,21.9
RADIO_B_NRESET: U300.28 U402.15 | length 9.8
  Top w0.15: U300.28@-3.82,21.755 -3.785,21.72 v1@-3.785,21.201 ; v1(1.8,24) 1.868,24 1.943,24.075 2.425,24.075 U402.15@2.5,24.15
  Signal-1 w0.15: v1(-3.697,21.045) -3.286,21.457 -1.493,21.457 -0.936,20.9 0.6,20.9 1.3,21.6 1.3,23.8 1.464,23.964 1.764,23.964 v1(1.8,24)
RB.DCSW: L408.2 U402.8 | length 2.2
  Top w0.4: U402.8@5.25,25.9 5.25,26.366 5.475,26.591 5.475,27.675 L408.2@5.7,27.9
RB.RFIN: C409.1 L407.2 U402.23 | length 2.9
  Top w0.227: U402.23@5.25,21.9 5.25,21.059 ccw(c5.899,21.059) L407.2@5.44,20.6 5.44,19.506 ccw(c5.986,19.506) C409.1@5.6,19.12
RB.RFIP: C414.2 L407.1 L409.1 U402.22 | length 3.4
  Top w0.227: C414.2@3.6,19.5 4.552,19.5 cw(c4.552,19.432) L409.1@4.6,19.48 ; L409.1@4.56,19.577 L407.1@4.56,20.6 ccw(c4.101,21.059) 4.75,21.059 U402.22@4.75,21.9
RB.TXA: C408.1 U402.3 | length 1.3
  Top w0.2: U402.3@6.5,23.65 7.325,23.65 7.675,24 C408.1@7.7,24
RB.VREG: C413.2 L408.1 U402.6 | length 5.1
  Top w0.4: L408.1@7.35,27.9 7.35,27.325 6.5,26.475 U402.6@6.5,25.15 6.516,25.166 6.516,25.716 7.816,25.716 C413.2@7.9,25.8
RF_RXOUT: C420.1 U401.1 | length 8
  Top w0.227: C420.1@5.82,12.1 ccw(c6.544,12.824) 6.544,11.8 9.593,11.8 cw(c9.593,10.093) 10.8,11.3 10.836,11.264 ccw(c12.632,13.06) 12.632,10.52 U401.1@13.4,10.52
RF_TXIN: C405.2 C415.1 L401.2 | length 10.9
  Top w0.227: C415.1@5.82,13.6 5.898,13.678 cw(c7.4,12.175) 7.4,14.3 L401.2@15.5,14.3 C405.2@16.5,14.3
RFIO: C430.2 CN200.3 L412.2 | length 7.7
  Top w0.227: L412.2@-7.87,8.2 C430.2@-7.1,8.2 ; CN200.3@-7.15,1.5 -7.15,7.588 -7.15,8.15 C430.2@-7.1,8.2 ; C430.2@-6.986,8.161 C430.2@-6.95,8.2 C430.2@-7.1,8.2
RFIO_BPF: C426.2 C429.2 L411.1 L413.1 | length 3
  Top w0.227: L411.1@-6.95,9.7 C429.2@-5.95,9.7 L413.1@-4.95,9.7 C426.2@-3.97,9.7
RFIO_LPF: C427.2 L412.1 | length 1
  Top w0.227: L412.1@-8.75,8.2 C427.2@-8.75,9.18
RFSW.ANTENNA: L410.1 U403.7 | length 1.2
  Top w0.227: L410.1@-2.5,10.6 U403.7@-1.3,10.6
RFSW.BYP: C423.2 R402.2 R408.2 U403.4 | length 4.1
  Top w0.15: R408.2@-3.1,16.1 C423.2@-3.1,15.3 R402.2@-3.1,14.5 -3.055,14.5 -1.61,13.055 -1.61,12.973 -1.486,12.85 U403.4@-1.3,12.85
RFSW.EN: C424.2 R407.2 U403.3 | length 4.9
  Top w0.15: R407.2@-3.5,17 C424.2@-2.7,17 -2.7,16.975 -2.3,16.575 -2.3,14.4 -1.5,13.6 U403.3@-1.3,13.6
RFSW.RBIAS: R405.2 U403.14 | length 0.8
  Top w0.15: 3.362,9.325 3.362,9.093 3.755,8.7 R405.2@3.8,8.7
RFSW.RX12: U403.10 U403.13 | length 3.6
  Top w0.227: U403.10@0.368,9.724 0.37,9.439 ccw(c1.349,9.59) 1.348,8.6 1.6,8.6 ccw(c1.6,9.537) 2.532,9.439 U403.13@2.537,9.725
RFSW.RXOUT: C420.2 U403.18 | length 1.1
  Top w0.227: U403.18@4.199,12.1 C420.2@5.3,12.1
RFSW.TR: C425.2 R403.2 U403.2 | length 3.8
  Top w0.15: U403.2@-1.3,14.35 -1.5,14.35 -1.9,14.75 -1.9,17 R403.2@-1.1,17
RFSW.TXIN: C415.2 U403.20 | length 1.1
  Top w0.227: U403.20@4.199,13.6 C415.2@5.3,13.6
RFSW.VPC: C432.2 R404.1 R406.2 U403.5 | length 4.1
  Top w0.15: R404.1@-4.3,13.4 R406.2@-4.3,12.5 -1.9,12.5 -1.5,12.1 U403.5@-1.3,12.1
SPI_RADIO_A.CSN: U300.68 U400.19 | length 23.1
  Top w0.15: v1(-7.7,28.5) -7.36,28.5 -7.32,28.54 U300.68@-7.32,28.695 ; v1(9.9,21.5) 9.9,21.568 10.117,21.785 11.375,21.785 11.45,21.86 U400.19@11.45,21.9
  Bottom w0.15: v1(-7.7,28.5) -7.687,28.5 -7.487,28.3 1.1,28.3 3.4,26 5.7,26 6.8,24.9 6.8,24.4 7.1,24.1 7.3,24.1 v1(9.9,21.5)
SPI_RADIO_A.MISO: U300.42 U400.16 | length 19.1
  Top w0.15: U300.42@-1.05,24.875 -1.015,24.91 -0.526,24.91 -0.501,24.935 -0.441,24.935 -0.421,24.956 0.072,24.956 0.165,24.862 v1(0.228,24.862) ; v1(9.9,23.4) 9.968,23.4 10.143,23.575 10.625,23.575 U400.16@10.7,23.65
  Bottom w0.15: v1(0.228,24.862) 0.228,24.867 0.836,25.475 5.667,25.475 6.2,24.942 6.2,22.288 7.588,20.9 10.2,20.9 10.6,21.3 10.6,23 10.248,23.352 9.948,23.352 v1(9.9,23.4)
SPI_RADIO_A.MOSI: U300.67 U400.17 | length 24.1
  Top w0.15: v1(-7.7,29.6) -7.682,29.582 -7.417,29.582 -7.005,29.17 -7.005,28.73 U300.67@-6.97,28.695 ; v1(9.9,22.775) 9.926,22.775 10.226,23.075 10.625,23.075 U400.17@10.7,23.15
  Bottom w0.15: v1(-7.7,29.6) -7.047,29.6 -6.421,28.974 -0.94,28.974 -0.539,29.375 0.425,29.375 0.618,29.182 5.318,29.182 9.1,25.4 9.1,23.575 v1(9.9,22.775)
SPI_RADIO_A.SCK: U300.65 U400.18 | length 27.4
  Top w0.15: v1(-7.2,30.4) -7.178,30.378 -7.178,30.121 -6.455,29.397 -6.455,29.395 -6.3,29.24 -6.3,28.736 U300.65@-6.265,28.701 ; v1(9.9,22.15) 9.943,22.15 10.04,22.248 10.048,22.248 10.45,22.65 U400.18@10.7,22.65
  Bottom w0.15: v1(-7.2,30.4) -7.5,30.1 -8,30.1 -8.293,29.807 -8.293,29.393 -7.967,29.067 -7.167,29.067 -6.7,28.6 -0.925,28.6 -0.425,29.1 0.2,29.1 0.4,28.9 4.8,28.9 8.6,25.1 8.6,23.45 v1(9.9,22.15)
SPI_RADIO_B.CSN: U300.18 U402.19 | length 16
  Top w0.15: v1(-7.725,21) -7.725,21.04 -7.32,21.445 U300.18@-7.32,21.755 ; v1(3.2,21.2) 3.225,21.225 3.225,21.875 U402.19@3.25,21.9
  Signal-1 w0.15: v1(-7.725,21) -7.725,19.625 -6.3,18.2 0.5,18.2 3.164,20.864 3.164,21.164 v1(3.2,21.2)
SPI_RADIO_B.MISO: U300.33 U402.16 | length 7.6
  Top w0.15: U300.33@-2.07,21.755 -2.035,21.72 -2.035,21.281 -1.807,21.054 v1(-1.807,21.007) ; v1(1.8,23.375) 1.868,23.375 2.068,23.575 2.425,23.575 U402.16@2.5,23.65
  Signal-1 w0.15: v1(-1.807,21.007) -1.401,20.6 0.7,20.6 1.582,21.482 1.582,23.162 1.795,23.375 v1(1.8,23.375)